# Altium PCB Kasli-DIOT.PCBDOC (part 5 of 21)
Units mm, origin at the board's own origin, x right, y up, seen from the top; angles counter-clockwise.
Board outline 222.34 x 100 mm, 10 copper layers (TopLayer, Layer 2, Layer 3, Layer 4, Layer 5, Layer 6, Layer 7, layer 8, Layer 9, BottomLayer), stack 1.564 mm thick; 974 components, 908 nets, 4662 pads, 2649 vias.
Unrouted connection lines stored in the file: 17.
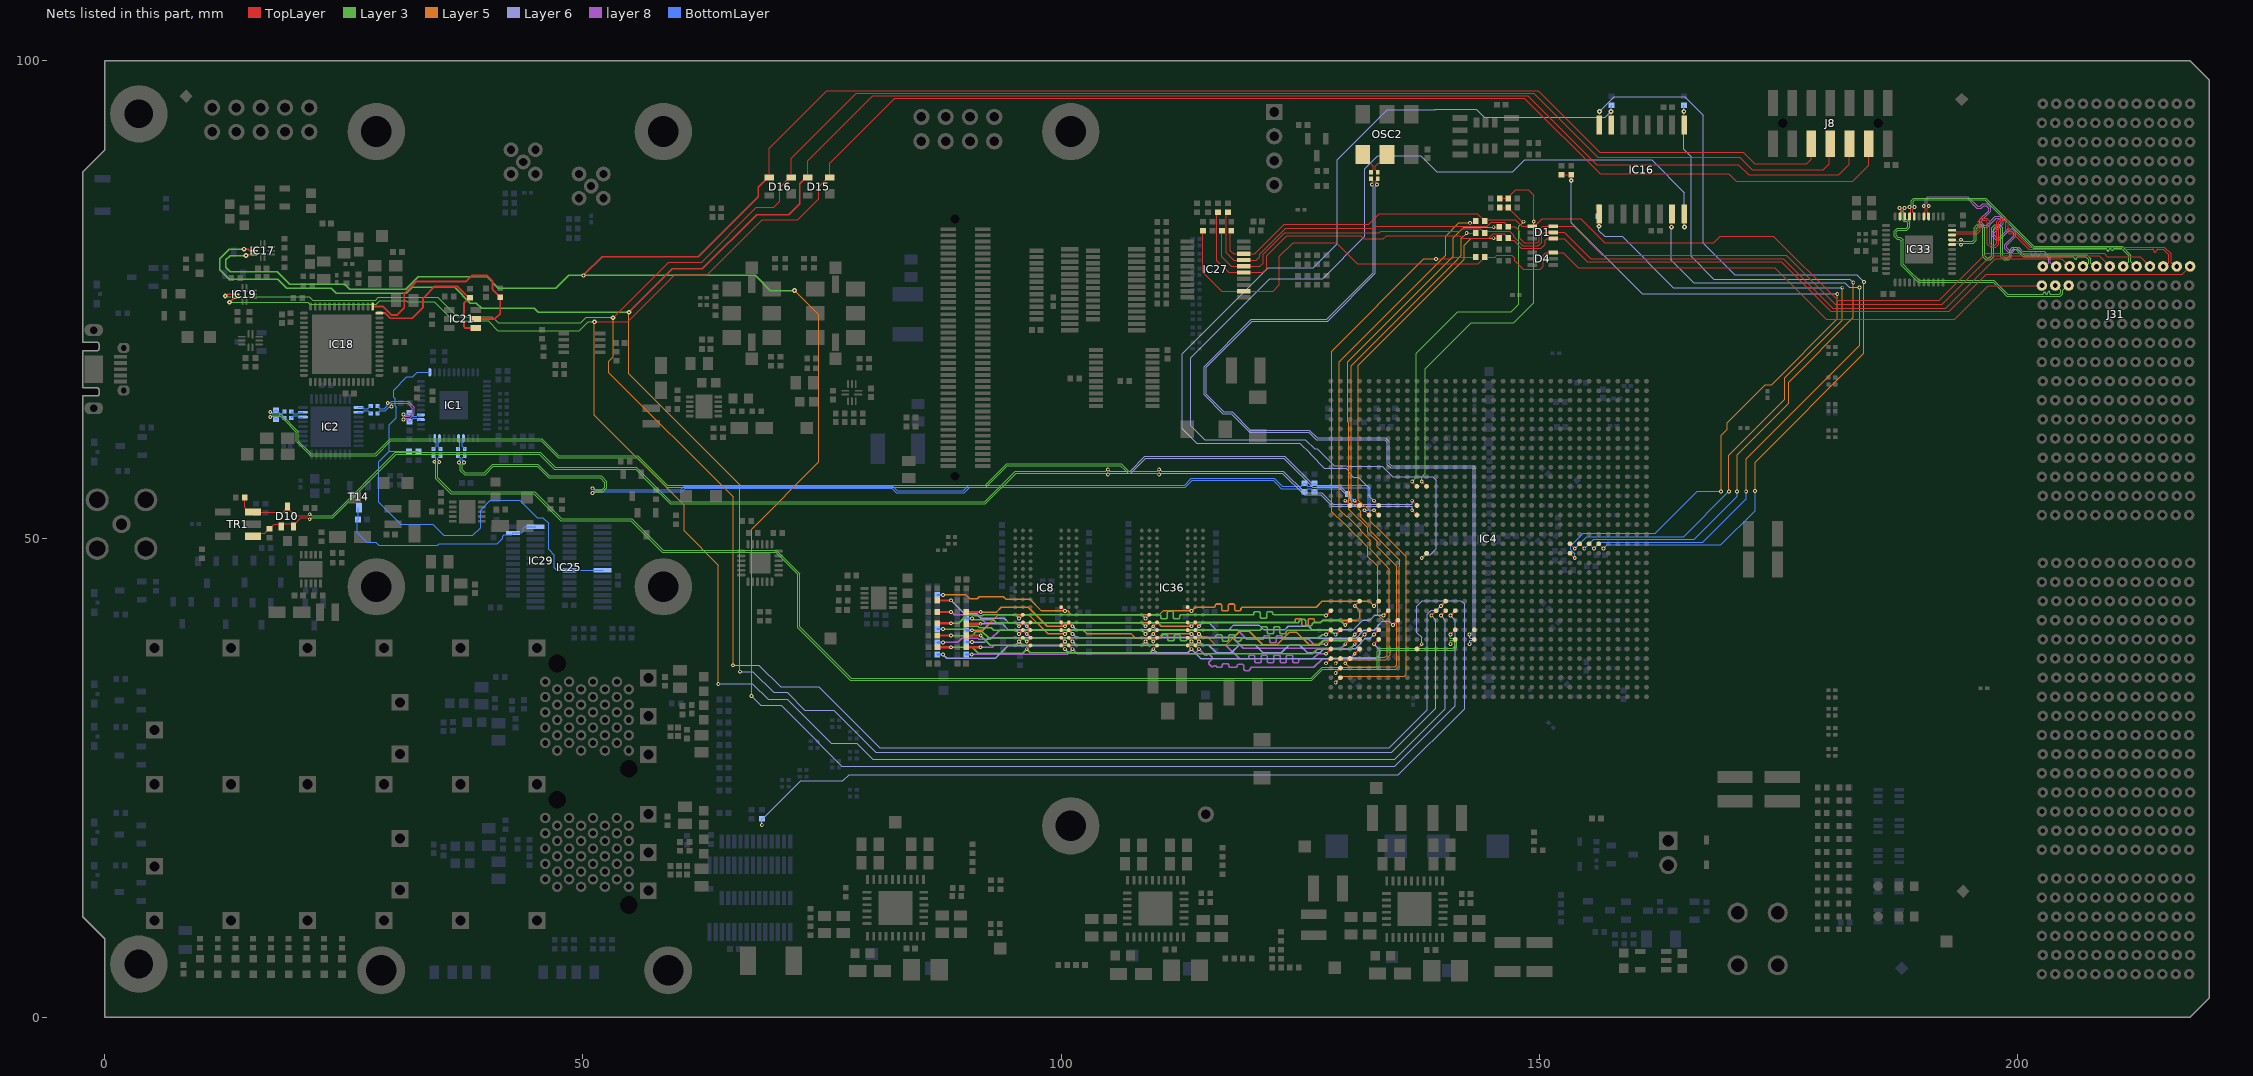
[diagram p13: the nets of this part, all layers, seen from the top]

## Via types
v1: diameter 0.4, hole 0.2, TopLayer to BottomLayer, tented both sides, 1661 vias
v2: diameter 0.5, hole 0.2, TopLayer to BottomLayer, tented both sides, 516 vias
v3: diameter 0.6, hole 0.3, TopLayer to BottomLayer, tented both sides, 175 vias
v4: diameter 0.6, hole 0.3, TopLayer to BottomLayer, 113 vias
v5: diameter 0.5, hole 0.2, TopLayer to BottomLayer, 110 vias
v6: diameter 0.4, hole 0.2, TopLayer to BottomLayer, 67 vias
v7: diameter 0.8, hole 0.5, TopLayer to BottomLayer, tented both sides, 7 vias

## Nets (pads, with @x,y where several pads share a name; then routed paths per layer and width w, separated by ;. In a path a pad name is that pad's centre, name@x,y a point inside that pad or via, vN(x,y) a via of type N, cw(c..) or ccw(c..) an arc to the next point about the centre after c; other vN are vias at no path point) (continued)
4_PE_CLK_N: IC33.9 J31.K5 | length 28.6
  TopLayer w0.095: v1(188.184,84.594) 188.184,84.511 188.061,84.389 188.061,84.158 188.2,84.019 IC33.9@188.2,83.725
  Layer 3 w0.075: v1(188.184,84.594) 188.184,84.551 188.02,84.387 188.02,83.693 188.02,83.596 188.201,83.415 188.429,83.415 188.728,83.115 188.728,82.585 188.429,82.286 187.493,82.286 187.312,82.105 187.312,81.742 187.493,81.561 187.721,81.561 188.02,81.261 188.02,80.7 188.02,78.721 188.631,78.111 189.715,77.027 197.514,77.027 198.541,76 198.973,75.568 202.306,75.568 202.596,75.568 ccw(c202.596,75.681) 202.708,75.681 202.708,75.699 cw(c202.821,75.699) 202.821,75.812 cw(c202.821,75.699) 202.933,75.699 202.933,75.681 ccw(c203.046,75.681) 203.046,75.568 ccw(c203.046,75.681) 203.158,75.681 203.158,75.764 cw(c203.271,75.764) 203.271,75.876 cw(c203.271,75.764) 203.383,75.764 203.383,75.681 ccw(c203.496,75.681) 203.496,75.568 203.758,75.568 204.381,75.568 204.538,75.725 204.538,76.002 204.04,76.5 J31.K5@203.939,76.5
4_PE_CLK_P: IC33.10 J31.J5 | length 28.6
  TopLayer w0.095: v1(187.657,84.6) 187.657,84.543 187.839,84.361 187.839,84.158 187.7,84.019 IC33.10@187.7,83.725
  Layer 3 w0.075: v1(187.657,84.6) 187.657,84.555 187.818,84.394 187.818,83.693 187.818,83.512 188.118,83.213 188.345,83.213 188.526,83.032 188.526,82.669 188.345,82.488 187.41,82.488 187.11,82.188 187.11,81.658 187.41,81.359 187.637,81.359 187.818,81.178 187.818,80.7 187.818,78.638 188.56,77.896 189.631,76.825 197.431,76.825 198.327,75.929 198.889,75.366 204.465,75.366 204.74,75.642 204.74,76.002 205.238,76.5 J31.J5@205.339,76.5
4_SERVMOD: D4.6 IC27.12 J31.L5 R192.1 R274.2 | length 104.5
  TopLayer w0.127: R192.1@114.823,82.239 114.823,77.897 116.809,75.911 IC27.12@119.086,75.911 122.149,75.911 122.8,76.561 122.8,79.535 124.249,80.983 128.777,80.983 130.966,78.795 143.607,78.795 144.271,79.458 R274.2@144.271,79.478 145.378,79.478 145.562,79.662 147.086,79.662 147.42,79.329 147.42,79.109 148.329,78.2 150.089,78.2 150.389,78.499 150.389,79.688 150.65,79.95 D4.6@151.45,79.95 152.5,79.95 154.075,78.375 174.588,78.375 179.99,72.974 193.412,72.974 196.938,76.5 J31.L5@202.539,76.5
4SERVMOD: IC4.AK1 R274.1 | length 60.9
  TopLayer w0.127: v1(127.7,37) IC4.AK1@128.2,37.5 ; v1(139.2,79.275) 140.852,79.275 141.057,79.479 R274.1@143.331,79.478 R274.1@143.331,79.478
  Layer 5 w0.1: v1(127.7,37) 128.3,37.6 129.2,37.6 129.223,37.623 133.856,37.623 134.1,37.867 134.1,38.679 134.096,38.683 134.096,41.137 133.633,41.6 133.567,41.6 133.1,42.067 133.1,47.133 132.736,47.497 132.729,47.497 132.077,48.149 132.077,49.156 130.895,50.338 130.828,50.338 130.219,50.948 130.219,51.014 129.61,51.623 129.544,51.623 128.3,52.867 128.3,69.639 137.936,79.275 v1(139.2,79.275)
5_PE_CLK_N: IC33.42 J31.C6 | length 32.9
  TopLayer w0.095: IC33.42@193.15,81.775 193.444,81.775 193.583,81.914 195.587,81.914 195.791,81.914 196.107,82.23 196.107,83.136 196.294,83.322 196.666,83.322 196.852,83.136 196.852,80.822 197.169,80.506 197.725,80.506 198.041,80.822 198.041,83.136 198.228,83.322 198.6,83.322 198.786,83.136 198.786,82.23 199.103,81.914 199.547,81.914 199.572,81.914 201.186,80.3 213.739,80.3 214.081,80.3 cw(c214.081,80.153) 214.229,80.153 214.229,80.14 ccw(c214.376,80.14) 214.524,80.14 214.524,80.153 cw(c214.671,80.153) 214.671,80.3 215.026,80.3 215.246,80.3 215.828,79.718 215.828,79.061 215.828,78.89 215.437,78.5 J31.C6@215.239,78.5
5_PE_CLK_P: IC33.43 J31.B6 | length 32.9
  TopLayer w0.095: IC33.43@193.15,82.275 193.444,82.275 193.583,82.136 195.587,82.136 195.699,82.136 195.885,82.322 195.885,83.228 196.202,83.544 196.758,83.544 197.074,83.228 197.074,80.914 197.261,80.728 197.633,80.728 197.819,80.914 197.819,83.228 198.136,83.544 198.692,83.544 199.008,83.228 199.008,82.322 199.195,82.136 199.547,82.136 199.664,82.136 201.278,80.522 215.338,80.522 216.05,79.81 216.05,78.969 216.05,78.89 216.44,78.5 J31.B6@216.639,78.5
5_SERVMOD: D1.4 IC27.15 J31.A6 R181.1 R275.2 | length 116.8
  TopLayer w0.127: R181.1@116.384,84.143 116.293,84.051 116.293,79.093 117.525,77.861 IC27.15@119.086,77.861 121.088,77.861 121.478,78.25 121.478,79.624 123.581,81.726 131.305,81.726 131.661,81.371 133.69,81.371 134.046,81.726 141.695,81.726 141.962,81.459 144.715,81.459 145.189,81.933 146.31,81.933 146.764,81.479 R275.2@146.764,81.459 146.764,81.439 146.99,81.213 147.301,81.213 148.114,80.4 150.2,80.4 150.6,80.8 150.6,81.225 150.775,81.4 D1.4@151.45,81.4 152.6,81.4 155.013,78.987 175.283,78.987 180.478,73.792 192.834,73.792 196.742,77.7 217.239,77.7 J31.A6@218.039,78.5
5SERVMOD: IC4.AM2 R275.1 | length 64.1
  TopLayer w0.127: v1(128.7,35) IC4.AM2@129.2,35.5 ; v1(145.22,81.45) 145.815,81.45 R275.1@145.824,81.459
  Layer 5 w0.1: v1(128.7,35) 129.323,35.623 135.856,35.623 136.077,35.844 136.077,48.149 134.467,49.76 134.467,49.767 132.856,51.377 132.79,51.377 132.323,51.844 132.323,52.91 131.828,53.405 131.695,53.405 131.077,54.023 131.077,68.157 142.142,79.222 142.142,80.726 142.867,81.45 v1(145.22,81.45)
6_PE_CLK_N: IC33.7 J31.F6 | length 28.9
  TopLayer w0.095: IC33.7@189.2,83.725 189.2,84.019 189.061,84.158 189.061,84.32 189.062,84.321 189.062,84.48 189.227,84.644 v1(189.227,84.7)
  Layer 3 w0.075: v1(189.227,84.7) 189.227,84.744 189.065,84.906 189.065,85.265 189.244,85.444 196.57,85.444 199.957,82.057 201.614,80.4 208.961,80.4 209.224,80.4 cw(c209.224,80.288) 209.336,80.288 209.336,80.214 ccw(c209.449,80.214) 209.449,80.102 ccw(c209.449,80.214) 209.561,80.214 209.561,80.288 cw(c209.674,80.288) 209.674,80.4 cw(c209.674,80.288) 209.786,80.288 ; 209.786,80.287 ccw(c209.899,80.287) 209.899,80.175 ccw(c209.899,80.287) 210.011,80.287 ; 210.011,80.288 cw(c210.124,80.288) 210.124,80.4 210.596,80.4 210.838,80.4 211.638,79.6 211.638,79.151 211.638,79.005 211.133,78.5 J31.F6@211.039,78.5
6_PE_CLK_P: IC33.8 J31.E6 | length 28.9
  TopLayer w0.095: IC33.8@188.7,83.725 188.7,84.019 188.839,84.158 188.839,84.412 188.84,84.413 188.84,84.492 188.7,84.632 v1(188.7,84.7)
  Layer 3 w0.075: v1(188.7,84.7) 188.7,84.744 188.863,84.906 188.863,85.348 189.16,85.646 196.654,85.646 199.957,82.343 201.698,80.602 210.921,80.602 211.84,79.684 211.84,79.067 211.84,79.005 212.345,78.5 J31.E6@212.439,78.5
6_SERVMOD: D1.1 IC27.18 J31.D6 R178.1 R257.2 | length 107.8
  TopLayer w0.127: R178.1@117.786,82.239 117.696,82.149 117.696,80.151 118.036,79.811 IC27.18@119.086,79.811 120.218,79.811 123.304,82.897 132.154,82.897 133.278,84.021 143.497,84.021 144.271,83.247 R257.2@144.271,83.227 144.431,83.387 147.463,83.387 148.15,82.7 D1.1@149.25,82.7 149.386,82.837 149.676,82.837 150.317,83.478 154.322,83.478 156.812,80.988 168.213,80.988 168.887,81.662 174.468,81.662 181.177,74.953 191.813,74.953 196.714,79.854 209.046,79.854 209.4,79.5 212.839,79.5 J31.D6@213.839,78.5
6SERVMOD: IC4.AK2 R257.1 | length 61.2
  TopLayer w0.127: v1(128.7,37) IC4.AK2@129.2,37.5 ; v1(142.747,83.056) 143.16,83.056 R257.1@143.331,83.227
  Layer 5 w0.1: v1(128.7,37) 129.073,37.373 129.54,37.373 129.563,37.396 133.95,37.396 134.427,37.873 134.427,38.673 134.323,38.777 134.323,46.851 133.815,47.359 133.808,47.359 133.035,48.132 133.035,48.191 132.304,48.922 132.304,49.863 131.323,50.844 131.323,50.977 129.923,52.377 129.79,52.377 129.1,53.067 129.1,68.55 140.2,79.65 140.2,81.662 141.595,83.056 v1(142.747,83.056)
7_PE_CLK_N: IC33.40 J31.I6 | length 28
  TopLayer w0.095: IC33.40@193.15,80.775 193.444,80.775 193.583,80.914 193.792,80.914 193.892,80.914 194.044,80.762 v1(194.1,80.762)
  Layer 3 w0.075: v1(194.1,80.762) 194.144,80.762 194.306,80.924 195.172,80.924 195.352,80.924 195.652,81.224 195.652,82.451 195.833,82.632 196.195,82.632 196.377,82.451 196.377,79.516 196.676,79.216 197.206,79.216 197.506,79.516 197.506,82.451 197.687,82.632 198.049,82.632 198.231,82.451 198.231,79.516 198.53,79.216 199.06,79.216 199.36,79.516 199.36,80.092 199.541,80.273 199.797,80.273 200.286,79.784 200.369,79.701 200.572,79.498 205.57,79.498 205.833,79.498 cw(c205.833,79.386) 205.945,79.386 205.945,79.347 ccw(c206.058,79.347) 206.058,79.234 ccw(c206.058,79.347) 206.17,79.347 206.17,79.386 cw(c206.283,79.386) 206.283,79.498 206.739,79.498 207.14,79.498 207.438,79.2 207.438,78.995 207.438,78.849 207.088,78.5 J31.I6@206.839,78.5
7_PE_CLK_P: IC33.41 J31.H6 | length 28
  TopLayer w0.095: IC33.41@193.15,81.275 193.444,81.275 193.583,81.136 193.7,81.136 193.892,81.136 194.044,81.289 v1(194.1,81.289)
  Layer 3 w0.075: v1(194.1,81.289) 194.144,81.289 194.306,81.126 195.172,81.126 195.268,81.126 195.45,81.307 195.45,82.534 195.749,82.834 196.279,82.834 196.579,82.534 196.579,79.599 196.76,79.418 197.122,79.418 197.304,79.599 197.304,82.534 197.603,82.834 198.133,82.834 198.433,82.534 198.433,79.599 198.614,79.418 198.976,79.418 199.158,79.599 199.158,80.175 199.457,80.475 199.881,80.475 200.369,79.986 200.656,79.7 205.57,79.7 207.223,79.7 207.64,79.284 207.64,78.911 207.64,78.849 207.989,78.5 J31.H6@208.239,78.5
7_SERVMOD: D1.6 IC27.17 J31.G6 R146.2 R179.1 | length 107.4
  TopLayer w0.127: R179.1@117.425,84.143 117.281,83.998 117.281,79.916 118.036,79.161 IC27.17@119.086,79.161 120.416,79.161 120.787,79.531 120.787,79.792 123.495,82.5 132.736,82.5 132.92,82.684 144.559,82.684 144.991,83.116 146.31,83.116 146.764,82.662 R146.2@146.764,82.642 146.766,82.64 147.496,82.64 147.947,82.189 147.947,81.459 148.444,80.962 149.783,80.962 149.974,81.153 149.974,82.336 150.337,82.7 D1.6@151.45,82.7 153.575,82.7 156.595,79.68 175.803,79.68 180.953,74.531 192.112,74.531 197.181,79.6 208.539,79.6 J31.G6@209.639,78.5
7SERVMOD: IC4.AK3 R146.1 | length 63
  TopLayer w0.1: v1(145.22,82.6) 145.781,82.6 R146.1@145.824,82.642
  TopLayer w0.127: v1(129.7,37) IC4.AK3@130.2,37.5
  Layer 5 w0.1: v1(129.7,37) 130.077,36.623 134.856,36.623 135.077,36.844 135.077,47.149 134.365,47.861 134.365,47.868 133.568,48.665 133.561,48.665 133.031,49.196 133.031,49.769 132.077,50.723 132.077,51.156 131.233,52 131.167,52 130.077,53.09 130.077,62.156 129.961,62.272 129.961,68.514 140.997,79.55 140.997,81.497 142.1,82.6 v1(145.22,82.6)
8_PE_CLK_N: IC33.4 J31.L6 | length 28
  TopLayer w0.095: IC33.4@190.7,83.725 190.7,84.019 190.561,84.158 190.561,84.6 190.714,84.753 v1(190.714,84.8)
  layer 8 w0.075: v1(190.714,84.8) 190.714,84.844 190.551,85.006 190.551,85.449 190.702,85.6 194.714,85.6 195.625,84.69 195.693,84.621 195.752,84.562 196.176,84.562 196.463,84.849 196.719,84.849 196.975,84.593 196.975,84.337 196.046,83.408 196.046,82.984 196.421,82.609 196.845,82.609 197.774,83.538 198.03,83.538 198.286,83.282 198.286,83.026 197.357,82.097 197.357,81.673 197.732,81.298 198.156,81.298 199.085,82.227 199.341,82.227 199.597,81.971 199.597,81.715 198.668,80.786 198.668,80.362 199.043,79.987 199.467,79.987 199.769,80.289 200.025,80.289 200.18,80.134 200.248,80.066 200.437,79.877 201.016,79.877 201.329,79.877 cw(c201.329,79.739) 201.466,79.739 201.466,79.719 ccw(c201.604,79.719) 201.741,79.719 201.741,79.739 cw(c201.879,79.739) 202.016,79.739 ccw(c202.154,79.739) 202.291,79.739 cw(c202.429,79.739) 202.429,79.877 202.723,79.877 202.733,79.867 203.238,79.362 203.238,78.861 202.877,78.5 J31.L6@202.639,78.5
8_PE_CLK_P: IC33.5 J31.K6 | length 28
  TopLayer w0.095: v1(190.187,84.8) 190.187,84.753 190.339,84.6 190.339,84.158 190.2,84.019 IC33.5@190.2,83.725
  layer 8 w0.075: v1(190.187,84.8) 190.187,84.844 190.349,85.006 190.349,85.532 190.619,85.802 194.798,85.802 195.767,84.833 195.836,84.764 196.092,84.764 196.379,85.051 196.803,85.051 197.177,84.677 197.177,84.253 196.248,83.324 196.248,83.068 196.505,82.811 196.761,82.811 197.69,83.74 198.114,83.74 198.488,83.366 198.488,82.942 197.559,82.013 197.559,81.757 197.816,81.5 198.072,81.5 199.001,82.429 199.425,82.429 199.799,82.055 199.799,81.631 198.87,80.702 198.87,80.446 199.127,80.189 199.383,80.189 199.685,80.491 200.109,80.491 200.323,80.277 200.391,80.209 200.521,80.079 202.807,80.079 203.44,79.446 203.44,78.861 203.801,78.5 J31.K6@204.039,78.5
8_SERVMOD: D1.5 IC27.16 J31.J6 R180.1 R291.2 | length 101.7
  TopLayer w0.127: R180.1@116.798,82.239 116.798,79.498 117.786,78.511 IC27.16@119.086,78.511 120.787,78.511 121.125,78.848 121.125,79.755 123.395,82.025 133.24,82.025 133.405,82.189 141.703,82.189 141.971,82.457 143.682,82.457 143.704,82.435 143.833,82.435 144.271,81.998 R291.2@144.271,81.978 144.453,82.16 146.894,82.16 147.32,81.734 147.32,81.599 148.27,80.65 149.875,80.65 150.25,81.025 150.25,81.75 150.55,82.05 D1.5@151.45,82.05 152.625,82.05 155.358,79.317 175.506,79.317 180.676,74.148 192.505,74.148 197.657,79.3 204.639,79.3 J31.J6@205.439,78.5
8SERVMOD: IC4.AL2 R291.1 | length 61
  TopLayer w0.127: v1(128.7,36) IC4.AL2@129.2,36.5 ; v1(142.4,81.978) R291.1@143.331,81.978
  Layer 5 w0.1: v1(128.7,36) 129.096,36.396 135.021,36.396 135.323,36.698 135.323,47.156 135.389,47.222 135.389,47.785 133.302,49.872 133.295,49.872 132.323,50.844 132.323,51.277 131.323,52.277 131.323,52.91 130.733,53.5 130.667,53.5 130.323,53.844 130.323,68.123 140.997,78.797 141.853,79.653 141.853,81.431 v1(142.4,81.978)
\VUSB_PRESENT_N: IC25.28 IC29.11 R209.1 T14.3 | length 23
  BottomLayer w0.125: T14.3@26.575,53.275 26.502,53.202 26.502,52.072 26.422,51.992 26.422,50.634 27.382,49.673 28.323,49.673 28.65,49.345 34.795,49.345 34.95,49.5 41.013,49.5 41.588,50.075 41.588,50.288 41.763,50.463 42.534,50.463 IC29.11@42.697,50.625 43.575,50.625 43.75,50.8 43.75,51.1 43.925,51.275 IC25.28@45.047,51.275
ASSY_Variant0: IC4.M11 R171.1 R173.2 | length 42.3
  TopLayer w0.127: v1(137.7,56) IC4.M11@138.2,55.5 ; R171.1@145.875,85.618 R173.2@146.735,85.618 146.961,85.845 146.961,85.914 147.548,86.5 148.85,86.5 149.425,85.925 149.425,83.211 v6(149.414,83.2)
  Layer 3 w0.127: v1(137.7,56) 137.7,56.486 138.076,56.862 138.076,67.801 142.9,72.625 147.325,72.625 149.414,74.714 v6(149.414,83.2)
ASSY_Variant1: IC4.M10 R170.1 R172.2 | length 39.1
  TopLayer w0.127: v1(136.7,56) IC4.M10@137.2,55.5 ; R170.1@145.875,84.643 R172.2@146.735,84.643 146.735,84.623 148.131,83.227 148.298,83.227 v6(148.35,83.175)
  Layer 3 w0.127: v1(136.7,56) 137.15,56.45 137.15,69.425 141.475,73.75 147.05,73.75 147.85,74.55 147.85,82.675 v6(148.35,83.175)
CFG_CCLK: IC4.W11 IC16.16 | length 117
  TopLayer w0.095: v1(137.7,48) IC4.W11@138.2,48.5
  TopLayer w0.125: IC16.16@165.145,83.975 165.172,83.948 v2(165.172,82.606)
  Layer 6 w0.095: v1(137.7,48) 138.047,48.347 138.577,48.347 139.2,48.97 139.2,56.149 138.87,56.479 134.671,56.479 133.573,57.577 129.89,57.577 129.815,57.653 128.556,57.653 126.799,59.41 126.5,59.41 125.517,60.393 115.028,60.393 113.564,61.857 113.564,68.964 121.807,77.207 127.332,77.207 131.75,81.625 131.75,88.725 133.075,90.05 137.6,90.05 139.275,88.375 147.2,88.375 148.45,89.625 161.744,89.625 165.172,86.197 v2(165.172,82.606)
CFG_D02: IC4.V26 IC16.9 R96.1 | length 76.2
  TopLayer w0.095: IC4.V26@153.2,49.5 v1(153.7,49)
  TopLayer w0.125: v2(156.232,82.693) 156.232,83.952 IC16.9@156.255,83.975
  Layer 5 w0.095: v1(169.825,54.975) 169.825,58.743 175.675,64.593 175.675,66.848 181.675,72.848 v1(181.675,76.275)
  Layer 6 w0.095: v2(156.232,82.693) 156.232,82.224 156.831,81.625 158.65,81.625 164,76.275 v1(181.675,76.275)
  BottomLayer w0.095: v1(153.7,49) 154.95,50.25 165.1,50.25 v1(169.825,54.975) ; R96.1@156.2,83.73 156.232,83.698 v2(156.232,82.693)
CFG_D03: IC4.V27 IC16.1 R94.1 | length 82
  TopLayer w0.095: IC4.V27@154.2,49.5 v1(154.7,49)
  TopLayer w0.1: v2(165.1,94.7) 165.1,93.32 IC16.1@165.145,93.275
  Layer 5 w0.095: v1(170.675,54.975) 170.675,58.802 176.05,64.177 176.05,66.398 182.825,73.173 v1(182.825,76.825)
  Layer 6 w0.095: v2(165.1,94.7) 165.1,90.725 165.875,89.95 165.875,79.55 168.25,77.175 168.65,77.175 182.475,77.175 v1(182.825,76.825)
  BottomLayer w0.095: v1(154.7,49) 155.675,49.975 166.2,49.975 170.675,54.45 v1(170.675,54.975) ; v2(165.1,94.7) R94.1@165.1,95.355
CFG_DIN: IC4.V29 IC16.8 | length 92.4
  TopLayer w0.095: IC4.V29@156.2,49.5 v1(156.7,49)
  TopLayer w0.125: IC16.8@156.255,93.275 156.3,93.32 v2(156.3,94.7)
  Layer 5 w0.095: v1(172.55,55) 172.55,58.025 183.925,69.4 v1(183.925,76.875)
  Layer 6 w0.095: v2(156.3,94.7) 157.85,96.25 165.2,96.25 167.15,94.3 167.15,80.925 170.45,77.625 183.175,77.625 v1(183.925,76.875)
  BottomLayer w0.095: v1(156.7,49) 157.075,49.375 168.975,49.375 172.55,52.95 v1(172.55,55)
CFG_FCS: IC4.P6 IC16.7 R95.1 | length 95.6
  TopLayer w0.095: v1(132.7,54) IC4.P6@133.2,53.5
  TopLayer w0.1: v2(157.5,94.7) 157.5,93.3 IC16.7@157.525,93.275
  Layer 6 w0.095: v1(132.7,54) 132.216,54.484 132.216,55.309 131.053,56.472 130.553,56.472 130.047,56.978 130.047,57.144 129.802,57.389 127.518,57.389 126.023,58.885 126.023,58.943 124.966,60 114.158,60 112.65,61.508 112.65,69.34 121.676,78.367 126.349,78.367 128.85,80.868 128.85,89.65 134.1,94.9 139.1,94.9 139.125,94.925 143.375,94.925 144.225,94.075 156.875,94.075 v2(157.5,94.7)
  BottomLayer w0.095: v2(157.5,94.7) 157.5,95.112 R95.1@157.55,95.355
CFG_MOSI: IC4.V28 IC16.15 | length 71.5
  TopLayer w0.095: IC4.V28@155.2,49.5 v1(155.7,49)
  TopLayer w0.125: v2(163.8,82.6) 163.8,83.9 IC16.15@163.875,83.975
  Layer 5 w0.095: v1(171.625,54.975) 171.625,58.408 183.475,70.258 v1(183.475,76.3)
  Layer 6 w0.095: v2(163.8,82.6) 163.8,79.15 166.15,76.8 167.525,76.8 181.925,76.8 182.425,76.3 v1(183.475,76.3)
  BottomLayer w0.095: v1(155.7,49) 156.375,49.675 167.1,49.675 171.625,54.2 v1(171.625,54.975)
CFG_PUDC_B: IC4.W26 R42.1 R43.2 | length 83.2
  TopLayer w0.095: R42.1@152.333,88.075 R43.2@153.333,88.075 ; IC4.W26@153.2,48.5 v1(153.7,48) ; v2(153.332,87.479) R43.2@153.333,88.075 ; R43.2@153.333,88.075 R43.2@153.333,88.075
  Layer 5 w0.095: v1(169,54.975) 169,60.852 169.638,61.49 169.638,62.171 173.615,66.148 174.296,66.148 181.15,73.002 v1(181.15,75.625)
  Layer 6 w0.095: v2(153.332,87.479) 153.332,83.068 160.775,75.625 164.297,75.625 v1(181.15,75.625)
  BottomLayer w0.095: v1(153.7,48) 153.7,48.45 153.3,48.85 153.3,49.3 154.575,50.575 162.1,50.575 166.5,54.975 v1(169,54.975)
CFG_TCK: D15.3 IC4.AE12 IC17.4 J8.6 | length 326.8
  TopLayer w0.127: D15.3@73.4,87.8 D15.3@73.5,87.8 73.5,89.525 80.325,96.35 148.8,96.35 156,89.15 170.8,89.15 171.875,88.075 181.3,88.075 182.425,89.2 J8.6@182.425,91.325
  TopLayer w0.15: v2(14.55,80.3) 14.563,80.287 14.988,80.287 15.138,80.137 IC17.4@15.61,80.137 ; v2(54.8,73.7) 59.346,78.246 62.497,78.246 68.151,83.9 71.525,83.9 72.65,85.025 72.65,87.134 73.075,87.559 73.075,87.575 73.3,87.8 D15.3@73.4,87.8
  TopLayer w0.24: v1(138.7,42) IC4.AE12@139.2,42.5
  Layer 3 w0.15: v2(14.55,80.3) 13.025,80.3 12.025,79.3 12.025,78.147 13.034,77.137 18.113,77.137 19.031,76.219 23.681,76.219 24.2,75.7 31.522,75.7 32.147,76.325 36.575,76.325 38.231,74.669 38.862,74.669 39.431,74.1 44.886,74.1 45.3,73.686 54.786,73.686 v2(54.8,73.7)
  Layer 5 w0.127: v2(54.8,73.7) 54.8,67.3 66.412,55.688 66.412,36.123 v1(66.413,36.122)
  Layer 6 w0.127: v1(66.413,36.122) 67.753,36.122 69.925,33.95 71.341,33.95 73.191,32.1 76.223,32.1 80.598,27.725 134.575,27.725 139.175,32.325 139.175,41.525 v1(138.7,42)
CFG_TDI: D16.3 IC4.AE14 IC17.5 J8.10 | length 346.5
  TopLayer w0.127: D16.3@69.5,87.8 69.5,90.875 75.5,96.875 149.875,96.875 156.322,90.428 171.297,90.428 172.5,89.225 177.95,89.225 178.425,89.7 J8.10@178.425,91.325
  TopLayer w0.15: v2@14.756,79.531 v2(14.756,79.636) 14.856,79.737 IC17.5@15.61,79.737 ; v1(50.05,77.55) 52.025,79.525 62.05,79.525 68.325,85.8 68.325,86.75 D16.3@69.437,87.862
  TopLayer w0.24: v1(140.7,42) IC4.AE14@141.2,42.5
  Layer 3 w0.15: v2(14.756,79.636) 13.108,79.636 12.65,79.178 12.65,78.423 13.148,77.925 18.024,77.925 19.324,76.625 25.083,76.625 25.608,76.1 31.482,76.1 32.778,77.396 39.984,77.396 41.161,76.219 47.159,76.219 48.49,77.55 v1(50.05,77.55) 68.025,77.55 69.602,75.973 v2(72.125,75.973)
  Layer 5 w0.127: v1(67.625,33.575) 67.65,33.6 67.65,46.762 67.631,46.781 67.631,47.124 67.65,47.143 67.65,47.862 67.631,47.881 67.631,48.224 67.65,48.243 67.65,51.025 74.675,58.05 74.675,73.423 v2(72.125,75.973)
  Layer 6 w0.127: v1(67.625,33.575) 68.6,32.6 70.735,32.6 74.655,28.679 74.655,28.634 77.076,26.213 134.888,26.213 141.225,32.55 141.225,41.475 v1(140.7,42)
CFG_TDO: D16.2 IC4.AD13 IC19.4 J8.8 | length 320.3
  TopLayer w0.125: v2(53.15,73.125) 58.971,78.946 62.397,78.946 68.126,84.675 69.95,84.675 70.575,85.3 70.575,86.745 71.363,87.533 71.363,87.563 71.6,87.8 D16.2@71.8,87.8
  TopLayer w0.127: D16.2@71.8,87.8 71.802,89.827 78.6,96.625 149.4,96.625 156.125,89.9 170.975,89.9 172.275,88.6 179.697,88.6 180.309,89.212 180.309,91.209 J8.8@180.425,91.325
  TopLayer w0.15: v2(12.6,75.4) 12.695,75.4 12.86,75.565 13.39,75.565 13.397,75.572 13.697,75.572 IC19.4@13.705,75.565
  TopLayer w0.24: v1(139.7,43) IC4.AD13@140.2,43.5
  Layer 3 w0.125: v2(12.6,75.4) 12.7,75.3 21.4,75.3 21.725,74.975 28.312,74.975 28.615,75.278 34.833,75.278 36.873,73.237 40.487,73.237 41.125,72.6 49.775,72.6 50.338,73.163 53.112,73.163 v2(53.15,73.125)
  Layer 5 w0.127: v2(53.15,73.125) 53.186,73.089 53.186,69.045 52.696,68.555 52.696,67.404 65.698,54.402 v1(65.698,36.8)